# KiCad board SparkFun_GNSS_Flex_Breakout_panelized.kicad_pcb (continued)
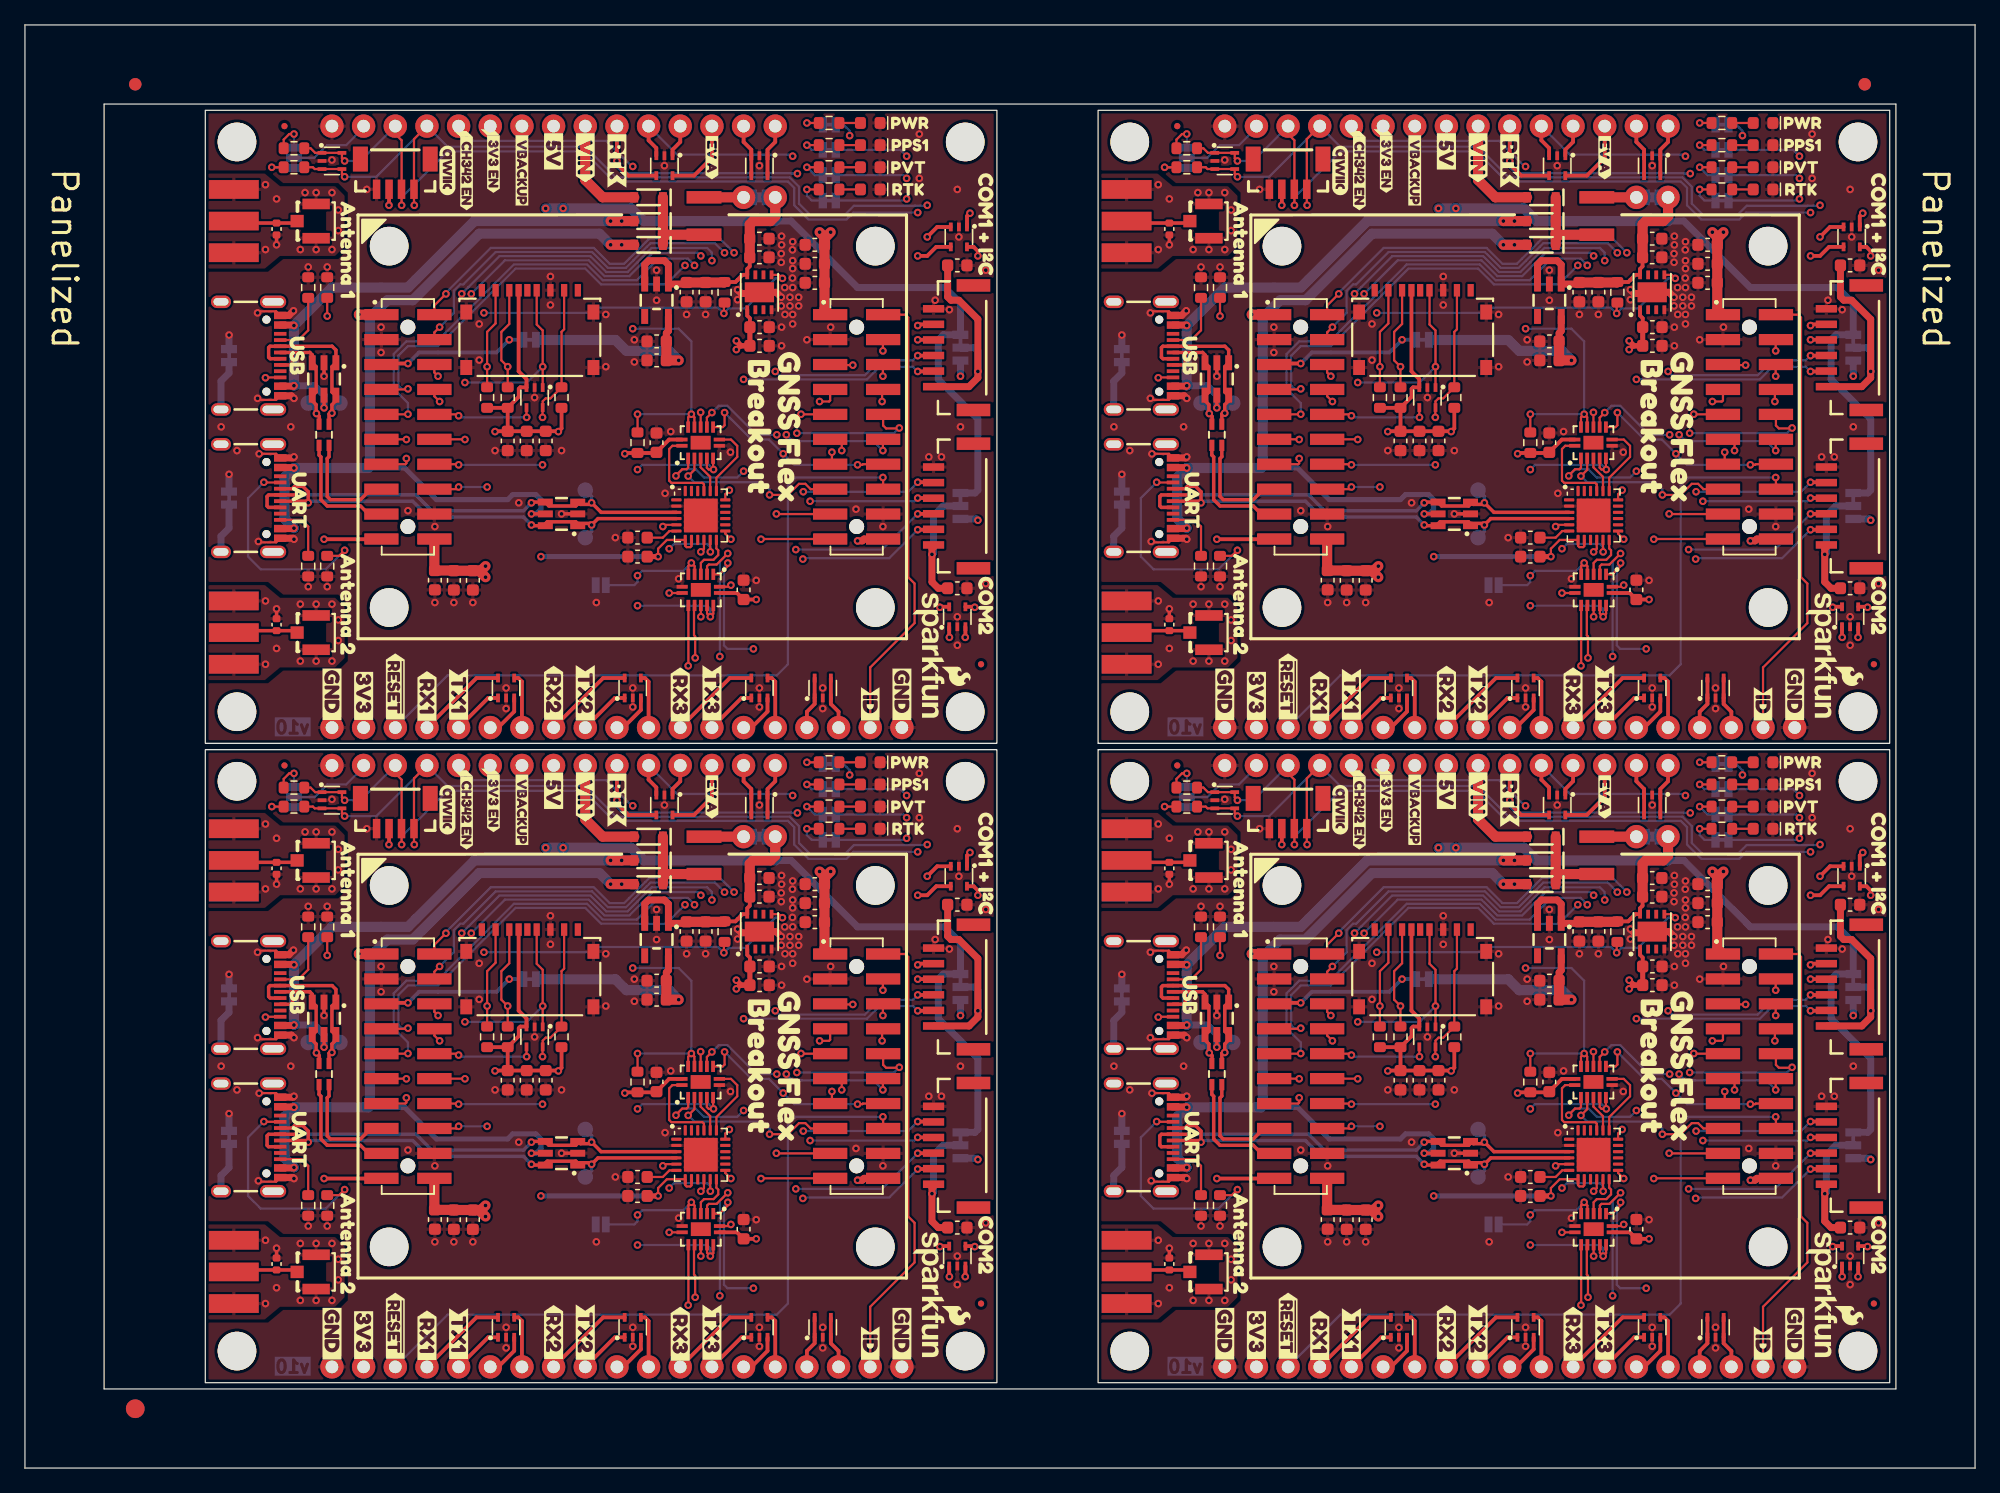
[diagram p0: board, top side]
## Placement (name value [footprint] x y rotation side) (continued)
TP9#4  1.25mm  [TestPoint-1.25mm]  44.95 27.17 180 bottom
TP10  1.25mm  [TestPoint-1.25mm]  94.34 85.46 180 bottom
TP10#2  1.25mm  [TestPoint-1.25mm]  94.34 34.16 180 bottom
TP10#3  1.25mm  [TestPoint-1.25mm]  22.73 85.46 180 bottom
TP10#4  1.25mm  [TestPoint-1.25mm]  22.73 34.16 180 bottom
TP12  1.25mm  [TestPoint-1.25mm]  116.57 23.36 180 bottom
TP12#2  1.25mm  [TestPoint-1.25mm]  44.95 74.66 180 bottom
TP12#3  1.25mm  [TestPoint-1.25mm]  116.57 74.66 180 bottom
TP12#4  1.25mm  [TestPoint-1.25mm]  44.95 23.36 180 bottom
TP14  1.25mm  [TestPoint-1.25mm]  25.27 85.46 180 bottom
TP14#2  1.25mm  [TestPoint-1.25mm]  25.27 34.16 180 bottom
TP14#3  1.25mm  [TestPoint-1.25mm]  96.89 85.46 180 bottom
TP14#4  1.25mm  [TestPoint-1.25mm]  96.89 34.16 180 bottom
TR2  -  [RFCMF1220100M4T]  95.62 82.91 270 top
TR2#2  -  [RFCMF1220100M4T]  24 82.91 270 top
TR2#3  -  [RFCMF1220100M4T]  24 31.62 270 top
TR2#4  -  [RFCMF1220100M4T]  95.62 31.62 270 top
U1  RT9080-3.3  [SOT23-5]  50.67 42.41 270 top
U1#2  RT9080-3.3  [SOT23-5]  122.29 93.71 270 top
U1#3  RT9080-3.3  [SOT23-5]  122.29 42.41 270 top
U1#4  RT9080-3.3  [SOT23-5]  50.67 93.71 270 top
U2  CH342F  [QFN-24-1EP_4x4mm_P0.5mm_EP2.7x2.7mm]  54.22 25.14 0 top
U2#2  CH342F  [QFN-24-1EP_4x4mm_P0.5mm_EP2.7x2.7mm]  125.84 25.14 0 top
U2#3  CH342F  [QFN-24-1EP_4x4mm_P0.5mm_EP2.7x2.7mm]  125.84 76.44 0 top
U2#4  CH342F  [QFN-24-1EP_4x4mm_P0.5mm_EP2.7x2.7mm]  54.22 76.44 0 top
U3  74HC4066BQ  [QFN-14_2.5x3mm_P0.5mm_EP1x1.5mm]  125.83 82.28 90 top
U3#2  74HC4066BQ  [QFN-14_2.5x3mm_P0.5mm_EP1x1.5mm]  125.83 30.98 90 top
U3#3  74HC4066BQ  [QFN-14_2.5x3mm_P0.5mm_EP1x1.5mm]  54.21 30.98 90 top
U3#4  74HC4066BQ  [QFN-14_2.5x3mm_P0.5mm_EP1x1.5mm]  54.21 82.28 90 top
U4  AP7361C-3.3V  [DFN-8_3x3mm_P0.65mm_EP2.25x1.5mm]  130.54 94.34 90 top
U4#2  AP7361C-3.3V  [DFN-8_3x3mm_P0.65mm_EP2.25x1.5mm]  130.54 43.05 90 top
U4#3  AP7361C-3.3V  [DFN-8_3x3mm_P0.65mm_EP2.25x1.5mm]  58.92 94.34 90 top
U4#4  AP7361C-3.3V  [DFN-8_3x3mm_P0.65mm_EP2.25x1.5mm]  58.92 43.05 90 top
U5  74HC4066BQ  [QFN-14_2.5x3mm_P0.5mm_EP1x1.5mm]  125.84 70.47 270 top
U5#2  74HC4066BQ  [QFN-14_2.5x3mm_P0.5mm_EP1x1.5mm]  54.22 19.17 270 top
U5#3  74HC4066BQ  [QFN-14_2.5x3mm_P0.5mm_EP1x1.5mm]  125.84 19.17 270 top
U5#4  74HC4066BQ  [QFN-14_2.5x3mm_P0.5mm_EP1x1.5mm]  54.22 70.47 270 top
VBACKUP.1  ~  [Jumper_2_NC_Trace]  40.49 39.23 180 bottom
VBACKUP.1#2  ~  [Jumper_2_NC_Trace]  112.11 90.53 180 bottom
VBACKUP.1#3  ~  [Jumper_2_NC_Trace]  40.49 90.53 180 bottom
VBACKUP.1#4  ~  [Jumper_2_NC_Trace]  112.11 39.23 180 bottom
VOUT1  ~  [Jumper_3_NC-1_Trace]  75.05 89.9 270 bottom
VOUT1#2  ~  [Jumper_3_NC-1_Trace]  146.67 38.6 270 bottom
VOUT1#3  ~  [Jumper_3_NC-1_Trace]  146.67 89.9 270 bottom
VOUT1#4  ~  [Jumper_3_NC-1_Trace]  75.05 38.6 270 bottom
VOUT2  ~  [Jumper_3_NC-1_Trace]  75.05 77.2 270 bottom
VOUT2#2  ~  [Jumper_3_NC-1_Trace]  75.05 25.9 270 bottom
VOUT2#3  ~  [Jumper_3_NC-1_Trace]  146.67 77.2 270 bottom
VOUT2#4  ~  [Jumper_3_NC-1_Trace]  146.67 25.9 270 bottom

## Library data of the parts
C1 C2#3 C7#2 C15#4 C18#3 C19 C22 C23#4 C24#2 = -: Datasheet: https://cdn.sparkfun.com/assets/8/a/4/a/5/Kemet_Capacitor_Datasheet.pdf; Description: Unpolarized capacitor; PROD_ID: CAP-20155; Voltage: 10V; Tolerance: 20%; ki_fp_filters: C_*
C1#2-C1#4 C2 C2#2 C2#4 C7 C7#3 C7#4 C15 C15#2 C15#3 C18 C18#2 C18#4 C19#2-C19#4 C22#2-C22#4 C23 C23#2 C23#3 C24 C24#3 C24#4 = -: Datasheet: https://cdn.sparkfun.com/assets/8/a/4/a/5/Kemet_Capacitor_Datasheet.pdf; Description: Unpolarized capacitor; PROD_ID: CAP-20155; Voltage: 10V; Tolerance: 20%
C4 C4#2 C4#3 C6 C6#2 C6#4 C8 C8#3 C8#4 C11 C11#2 C11#4 = -: Datasheet: https://cdn.sparkfun.com/assets/8/a/4/a/5/Kemet_Capacitor_Datasheet.pdf; Description: Unpolarized capacitor; PROD_ID: CAP-00810; Voltage: 25V; Tolerance: 20%
C4#4 C6#3 C8#2 C11#3 = -: Datasheet: https://cdn.sparkfun.com/assets/8/a/4/a/5/Kemet_Capacitor_Datasheet.pdf; Description: Unpolarized capacitor; PROD_ID: CAP-00810; Voltage: 25V; Tolerance: 20%; ki_fp_filters: C_*
C5 C5#2 C5#4 C9 C9#3 C9#4 C10 C10#3 C10#4 C12 C12#2 C12#3 C13#2-C13#4 C14 C14#2 C14#4 C16 C16#2 C16#3 C17 C17#3 C17#4 C20 C20#3 C20#4 C21 C21#3 C21#4 = -: Datasheet: https://cdn.sparkfun.com/assets/8/a/4/a/5/Kemet_Capacitor_Datasheet.pdf; Description: Unpolarized capacitor; PROD_ID: CAP-13930; Voltage: 16V; Tolerance: 10%
C5#3 C9#2 C10#2 C12#4 C13 C14#3 C16#4 C17#2 C20#2 C21#2 = -: Datasheet: https://cdn.sparkfun.com/assets/8/a/4/a/5/Kemet_Capacitor_Datasheet.pdf; Description: Unpolarized capacitor; PROD_ID: CAP-13930; Voltage: 16V; Tolerance: 10%; ki_fp_filters: C_*
CH342_EN.1 CH342_EN.1#3 CH342_EN.1#4 = -: Description: Solder Jumper, 2-pole, open
CH342_EN.1#2 = -: Description: Solder Jumper, 2-pole, open; ki_fp_filters: SolderJumper*Open*
D1 D7#2 D8#4 D10#3 D11#4 D12#2 D13 D14#2 D15#2 D16#4 = -: Datasheet: https://toshiba.semicon-storage.com/info/DF5A5.6LFU_datasheet_en_20140301.pdf?did=22260&prodName=DF5A5.6LFU; Description: Low capacitance microSD unidirectional quadruple ESD protection diode array, 3.3V, Common Anode, SOT-353; PROD_ID: DIO-20454; Rating: 3.3VWM/12VC; ki_fp_filters: SOT?353*
D1#2-D1#4 D7 D7#3 D7#4 D8 D8#2 D8#3 D10 D10#2 D10#4 D11 D11#2 D11#3 D12 D12#3 D12#4 D13#2-D13#4 D14 D14#3 D14#4 D15 D15#3 D15#4 D16 D16#2 D16#3 = -: Datasheet: https://toshiba.semicon-storage.com/info/DF5A5.6LFU_datasheet_en_20140301.pdf?did=22260&prodName=DF5A5.6LFU; Description: Low capacitance microSD unidirectional quadruple ESD protection diode array, 3.3V, Common Anode, SOT-353; PROD_ID: DIO-20454; Rating: 3.3VWM/12VC
D2 D2#3 D2#4 = -: Datasheet: https://docs.broadcom.com/docs/AV02-0551EN; Description: Light emitting diode; PROD_ID: DIO-17976
D2#2 = -: Datasheet: https://docs.broadcom.com/docs/AV02-0551EN; Description: Light emitting diode; PROD_ID: DIO-17976; ki_fp_filters: LED* LED_SMD:* LED_THT:*
D3 D3#2 D3#3 = -: Datasheet: https://media.digikey.com/pdf/Data%20Sheets/Rohm%20PDFs/SMLE12_Series_Rev2.0_2007.pdf; Description: Light emitting diode; PROD_ID: DIO-08575
D3#4 = -: Datasheet: https://media.digikey.com/pdf/Data%20Sheets/Rohm%20PDFs/SMLE12_Series_Rev2.0_2007.pdf; Description: Light emitting diode; PROD_ID: DIO-08575; ki_fp_filters: LED* LED_SMD:* LED_THT:*
D5 D5#2 D5#3 = -: Datasheet: https://www.qt-brightek.com/datasheet/QBLP601_series.pdf; Description: Light emitting diode; PROD_ID: DIO-09004
D5#4 = -: Datasheet: https://www.qt-brightek.com/datasheet/QBLP601_series.pdf; Description: Light emitting diode; PROD_ID: DIO-09004; ki_fp_filters: LED* LED_SMD:* LED_THT:*
D6 D6#3 D6#4 = -: Datasheet: https://www.kingbrightusa.com/images/catalog/SPEC/APT1608SYCK.pdf; Description: Light emitting diode; PROD_ID: DIO-09003
D6#2 = -: Datasheet: https://www.kingbrightusa.com/images/catalog/SPEC/APT1608SYCK.pdf; Description: Light emitting diode; PROD_ID: DIO-09003; ki_fp_filters: LED* LED_SMD:* LED_THT:*
D9 D9#3 D9#4 D20 D20#2 D20#4 = -: Datasheet: https://www.littelfuse.com/~/media/electronics/product_specifications/polymer_esd_suppressors/littelfuse_polymer_esd_suppressor_pesd0402_140_product_specification.pdf.pdf; Description: Bidirectional transient-voltage-suppression diode; PROD_ID: DIO-15359; Rating: 14VWM/40VC
D9#2 D20#3 = -: Datasheet: https://www.littelfuse.com/~/media/electronics/product_specifications/polymer_esd_suppressors/littelfuse_polymer_esd_suppressor_pesd0402_140_product_specification.pdf.pdf; Description: Bidirectional transient-voltage-suppression diode; PROD_ID: DIO-15359; Rating: 14VWM/40VC; ki_fp_filters: TO-???* *_Diode_* *SingleDiode* D_*
D17 D21#4 = -: Datasheet: https://www.diodes.com/assets/Datasheets/DT1042-04SO.pdf; Description: Very low capacitance ESD protection diode, 4 data-line, SOT-23-6; PROD_ID: IC-13538; Rating: 5VWM/9VC; ki_fp_filters: SOT?23*
D17#2-D17#4 D21 D21#2 D21#3 = -: Datasheet: https://www.diodes.com/assets/Datasheets/DT1042-04SO.pdf; Description: Very low capacitance ESD protection diode, 4 data-line, SOT-23-6; PROD_ID: IC-13538; Rating: 5VWM/9VC
D18 D18#2 D18#4 D19 D19#3 D19#4 D22 D22#2 D22#4 = -: Datasheet: https://www.infineon.com/dgdl/bat60aseries.pdf?folderId=db3a304313d846880113def5812204a1&fileId=db3a304313d846880113def70c9304a9; Description: Schottky diode; PROD_ID: DIO-14072; IMax: 3A; VDrop: 0.28V; VMax: 10V
D18#3 D19#2 D22#3 = -: Datasheet: https://www.infineon.com/dgdl/bat60aseries.pdf?folderId=db3a304313d846880113def5812204a1&fileId=db3a304313d846880113def70c9304a9; Description: Schottky diode; PROD_ID: DIO-14072; IMax: 3A; VDrop: 0.28V; VMax: 10V; ki_fp_filters: TO-???* *_Diode_* *SingleDiode* D_*
F1 F1#2 F1#3 = -: Datasheet: https://www.belfuse.com/resources/datasheets/circuitprotection/ds-cp-0zch-series.pdf; Description: Resettable fuse 2A; PROD_ID: RES-14313
F1#4 = -: Datasheet: https://www.belfuse.com/resources/datasheets/circuitprotection/ds-cp-0zch-series.pdf; Description: Resettable fuse 2A; PROD_ID: RES-14313; ki_fp_filters: *polyfuse* *PTC*
FID1 FID1#3 FID1#4 FID2 FID2#3 FID2#4 FID3#2-FID3#4 FID4#2-FID4#4 = -: Description: Fiducial Marker
FID1#2 FID2#2 FID3 FID4 = -: Description: Fiducial Marker; ki_fp_filters: Fiducial*
J1 J1#2 J1#3 = -: Datasheet: https://tools.molex.com/pdm_docs/sd/1050270001_sd.pdf; Description: Micro SD socket External Pin; PROD_ID: CONN-20948
J1#4 = -: Datasheet: https://tools.molex.com/pdm_docs/sd/1050270001_sd.pdf; Description: Micro SD socket External Pin; PROD_ID: CONN-20948; ki_fp_filters: microSD*
J2 J2#2 J2#4 J6 J6#3 J6#4 = -: Datasheet: https://www.sparkfun.com/datasheets/Wireless/Antenna/SMA-Connector.pdf; Description: SMA PCB Edge Mount connector; PROD_ID: CONN-08289
J2#3 J6#2 = -: Datasheet: https://www.sparkfun.com/datasheets/Wireless/Antenna/SMA-Connector.pdf; Description: SMA PCB Edge Mount connector; PROD_ID: CONN-08289; ki_fp_filters: *BNC* *SMA* *SMB* *SMC* *Cinch* *LEMO*
J3 J4 = -: Description: Basic 0.1" PTH; ki_fp_filters: Connector*:*_1x??_*
J3#2-J3#4 J4#2-J4#4 = -: Description: Basic 0.1" PTH
J5 J5#3 J5#4 J13 J13#2 J13#4 = -: Datasheet: https://www.jst-mfg.com/product/pdf/eng/eGH.pdf; Description: JST locking connector; PROD_ID: CONN-16497
J5#2 J13#3 = -: Datasheet: https://www.jst-mfg.com/product/pdf/eng/eGH.pdf; Description: JST locking connector; PROD_ID: CONN-16497; ki_fp_filters: Connector*:*_1x??_*
J7 J7#3 J7#4 J10 J10#3 J10#4 = -: Datasheet: https://www.usb.org/sites/default/files/documents/usb_type-c.zip; Description: USB 2.0-only Type-C Receptacle connector; PROD_ID: CONN-14122
J7#2 J10#2 = -: Datasheet: https://www.usb.org/sites/default/files/documents/usb_type-c.zip; Description: USB 2.0-only Type-C Receptacle connector; PROD_ID: CONN-14122; ki_fp_filters: USB*C*Receptacle*
J8 J8#2 J8#4 J9 J9#2 J9#3 = -: Datasheet: https://mm.digikey.com/Volume0/opasdata/d220001/medias/docus/2607/UFL%20Series.pdf; Description: SMA PCB Edge Mount connector SMD; PROD_ID: CONN-09193
J8#3 J9#4 = -: Datasheet: https://mm.digikey.com/Volume0/opasdata/d220001/medias/docus/2607/UFL%20Series.pdf; Description: SMA PCB Edge Mount connector SMD; PROD_ID: CONN-09193; ki_fp_filters: *BNC* *SMA* *SMB* *SMC* *Cinch* *LEMO*
J11 J12 = -: Datasheet: http://www.4uconnector.com/online/object/4udrawing/22817.pdf; Description: 2x10 2.0mm Header with pegs; PROD_ID: CONN-25207; ki_fp_filters: Connector*:*_1x??_*
J11#2-J11#4 J12#2-J12#4 = -: Datasheet: http://www.4uconnector.com/online/object/4udrawing/22817.pdf; Description: 2x10 2.0mm Header with pegs; PROD_ID: CONN-25207
J14 J14#2 J14#3 = -: Datasheet: https://www.jst-mfg.com/product/pdf/eng/eSH.pdf; Description: 4 pin JST 1mm polarized connector for I2C; PROD_ID: CONN-14483
J14#4 = -: Datasheet: https://www.jst-mfg.com/product/pdf/eng/eSH.pdf; Description: 4 pin JST 1mm polarized connector for I2C; PROD_ID: CONN-14483; ki_fp_filters: Connector*:*_1x??_*
J15 J15#3 J15#4 = -: Description: SparkFun GNSS Flex Legend
J15#2 = -: Description: SparkFun GNSS Flex Legend; ki_fp_filters: Connector*:*_1x??_*
JP1 JP1#2 JP1#3 PPS1#2-PPS1#4 PVT1 PVT1#2 PVT1#4 PWR1 PWR1#3 PWR1#4 RTK1 RTK1#3 RTK1#4 SHLD1 SHLD1#3 SHLD1#4 SHLD2 SHLD2#3 SHLD2#4 VBACKUP.1#2-VBACKUP.1#4 = -: Description: Solder Jumper, 2-pole, closed/bridged
JP1#4 PPS1 PVT1#3 PWR1#2 RTK1#2 SHLD1#2 SHLD2#2 VBACKUP.1 = -: Description: Solder Jumper, 2-pole, closed/bridged; ki_fp_filters: SolderJumper*Bridged*
JP2 JP2#3 JP2#4 = -: Description: Solder Jumper, 3-pole, open
JP2#2 = -: Description: Solder Jumper, 3-pole, open; ki_fp_filters: SolderJumper*Open*
R1 R1#2 R1#4 R2 R2#2 R2#4 R4#2-R4#4 = -: Datasheet: https://www.vishay.com/docs/20035/dcrcwe3.pdf; Description: Resistor; PROD_ID: RES-00824
R1#3 R2#3 R4 = -: Datasheet: https://www.vishay.com/docs/20035/dcrcwe3.pdf; Description: Resistor; PROD_ID: RES-00824; ki_fp_filters: R_*
R3 R3#2 R3#3 R5 R5#2 R5#3 = -: Datasheet: https://www.vishay.com/docs/20035/dcrcwe3.pdf; Description: Resistor; PROD_ID: RES-07828
R3#4 R5#4 = -: Datasheet: https://www.vishay.com/docs/20035/dcrcwe3.pdf; Description: Resistor; PROD_ID: RES-07828; ki_fp_filters: R_*
R6 R6#2 R6#3 = -: Datasheet: https://www.vishay.com/docs/20035/dcrcwe3.pdf; Description: Resistor; PROD_ID: RES-07857
R6#4 = -: Datasheet: https://www.vishay.com/docs/20035/dcrcwe3.pdf; Description: Resistor; PROD_ID: RES-07857; ki_fp_filters: R_*
R7 R7#2 R7#4 R8 R8#2 R8#4 R9#2-R9#4 R12#2-R12#4 = -: Datasheet: https://www.vishay.com/docs/20035/dcrcwe3.pdf; Description: Resistor; PROD_ID: RES-08272
R7#3 R8#3 R9 R12 = -: Datasheet: https://www.vishay.com/docs/20035/dcrcwe3.pdf; Description: Resistor; PROD_ID: RES-08272; ki_fp_filters: R_*
R11 R11#2 R11#3 = -: Datasheet: https://www.vishay.com/docs/20035/dcrcwe3.pdf; Description: Resistor; PROD_ID: RES-07856
R11#4 = -: Datasheet: https://www.vishay.com/docs/20035/dcrcwe3.pdf; Description: Resistor; PROD_ID: RES-07856; ki_fp_filters: R_*
R17 R17#3 R17#4 R18 R18#2 R18#4 R19 R19#2 R19#3 R20 R20#3 R20#4 = -: Datasheet: https://www.vishay.com/docs/20035/dcrcwe3.pdf; Description: Resistor; PROD_ID: RES-12083
R17#2 R18#3 R19#4 R20#2 = -: Datasheet: https://www.vishay.com/docs/20035/dcrcwe3.pdf; Description: Resistor; PROD_ID: RES-12083; ki_fp_filters: R_*
ST1 ST1#2 ST1#3 ST2 ST2#2 ST2#3 ST3 ST3#2 ST3#3 ST4#2-ST4#4 ST5 ST5#2 ST5#4 ST6 ST6#3 ST6#4 ST7 ST7#2 ST7#3 ST8 ST8#2 ST8#3 = -: Description: Drill holes for mechanically mounting via screws, standoffs, etc.
ST1#4 ST2#4 ST3#4 ST4 ST5#3 ST6#2 ST7#4 ST8#4 = -: Description: Drill holes for mechanically mounting via screws, standoffs, etc.; ki_fp_filters: Fiducial*
TP9 TP9#2 TP9#3 TP10 TP10#2 TP10#3 TP12 TP12#2 TP12#3 TP14 TP14#3 TP14#4 = -: Description: Test Point
TP9#4 TP10#4 TP12#4 TP14#2 = -: Description: Test Point; ki_fp_filters: Pin* Test*
TR2 TR2#2-TR2#4 = -: Datasheet: http://www.passivecomponent.com/wp-content/uploads/2018/10/RF-Filter.pdf; Description: USB Transformer; PROD_ID: COMP-19495
U1 = -: Datasheet: https://www.richtek.com/SaveDownload.aspx?specid=RT9080; Description: 600mA low dropout linear regulator, with enable pin, 3.8V-6V input voltage range, 3.3V fixed positive output, SOT-23-5; PROD_ID: VREG-19034; VMax: 5.5V; IMax: 600mA; Iq: 4µA; ki_fp_filters: SOT?23?5*
U1#2-U1#4 = -: Datasheet: https://www.richtek.com/SaveDownload.aspx?specid=RT9080; Description: 600mA low dropout linear regulator, with enable pin, 3.8V-6V input voltage range, 3.3V fixed positive output, SOT-23-5; PROD_ID: VREG-19034; VMax: 5.5V; IMax: 600mA; Iq: 4µA
U2 = -: Datasheet: https://cdn.sparkfun.com/assets/4/5/0/b/7/CH342_Datasheet.pdf; Description: USB dual serial converter, UART, QFN-24; PROD_ID: IC-23059; ki_fp_filters: SOIC*3.9x9.9mm*P1.27mm*
U2#2-U2#4 = -: Datasheet: https://cdn.sparkfun.com/assets/4/5/0/b/7/CH342_Datasheet.pdf; Description: USB dual serial converter, UART, QFN-24; PROD_ID: IC-23059
U3 U3#2 U3#4 U5 U5#3 U5#4 = -: Datasheet: https://assets.nexperia.com/documents/data-sheet/74HC_HCT4066.pdf; Description: Quad single-pole single-throw analog switch QFN; PROD_ID: IC-16528; VCC: VCC: 2.0V Min, 5.0V Typ, 10.0V Max
U3#3 U5#2 = -: Datasheet: https://assets.nexperia.com/documents/data-sheet/74HC_HCT4066.pdf; Description: Quad single-pole single-throw analog switch QFN; PROD_ID: IC-16528; VCC: VCC: 2.0V Min, 5.0V Typ, 10.0V Max; ki_fp_filters: TSSOP*4.4x5mm*P0.65mm* DIP*W7.62* SOIC*3.9x9.9mm*P1.27mm* SO*5.3x10.2mm*P1.27mm*
U4 U4#2 U4#3 = -: Datasheet: https://www.diodes.com/assets/Datasheets/AP7361C.pdf; Description: 1A low dropout linear regulator, with enable pin, 2.2-6.0V input, 3.3V output, UDFN-8; PROD_ID: VREG-14094; VMax: 6V; Ityp: 1.0A; IMax: 1.5A; Iq: 60µA
U4#4 = -: Datasheet: https://www.diodes.com/assets/Datasheets/AP7361C.pdf; Description: 1A low dropout linear regulator, with enable pin, 2.2-6.0V input, 3.3V output, UDFN-8; PROD_ID: VREG-14094; VMax: 6V; Ityp: 1.0A; IMax: 1.5A; Iq: 60µA; ki_fp_filters: SOT?23?5*
VOUT1 VOUT1#2 VOUT1#3 VOUT2 VOUT2#3 VOUT2#4 = -: Description: 3-pole Solder Jumper, pins 1+2 closed/bridged
VOUT1#4 VOUT2#2 = -: Description: 3-pole Solder Jumper, pins 1+2 closed/bridged; ki_fp_filters: SolderJumper*Bridged12*

## Footprints (pads in the part's own frame, mm; a bottom-side part is the same pattern mirrored in y, then rotated)
1x15
  round 1.88 hole 1.016: 1(0,0) 2(2.54,0) 3(5.08,0) 4(7.62,0) 5(10.16,0) 6(12.7,0) 7(15.24,0) 8(17.78,0) 9(20.32,0) 10(22.86,0) 11(25.4,0) 12(27.94,0) 13(30.48,0) 14(33.02,0) 15(35.56,0)
1x19
  round 1.88 hole 1.016: 1(0,0) 2(2.54,0) 3(5.08,0) 4(7.62,0) 5(10.16,0) 6(12.7,0) 7(15.24,0) 8(17.78,0) 9(20.32,0) 10(22.86,0) 11(25.4,0) 12(27.94,0) 13(30.48,0) 14(33.02,0) 15(35.56,0) 16(38.1,0) 17(40.64,0) 18(43.18,0) 19(45.72,0)
2x10_2.0mm_Male_Pins_Vertical_SMD_Pegs
  round 1.2 hole 1.2 unplated: (0,8) (0,-8)
  rect 2.75x0.9 smd: 1(-2.125,9) 2(2.125,9) 3(-2.125,7) 4(2.125,7) 5(-2.125,5) 6(2.125,5) 7(-2.125,3) 8(2.125,3) 9(-2.125,1) 10(2.125,1) 11(-2.125,-1) 12(2.125,-1) 13(-2.125,-3) 14(2.125,-3) 15(-2.125,-5) 16(2.125,-5) 17(-2.125,-7) 18(2.125,-7) 19(-2.125,-9) 20(2.125,-9)
1210
  rect 1x2.8 smd: 1(-1.5,0) 2(1.5,0)
C_0402_1005Metric
  rrect 0.56x0.62 smd: 1(-0.48,0) 2(0.48,0)
C_0603_1608Metric
  rrect 0.9x0.95 smd: 1(-0.775,0) 2(0.775,0)
DFN-8_3x3mm_P0.65mm_EP2.25x1.5mm
  rect 0.7x0.3 smd: 1(-1.4,0.975) 2(-1.4,0.325) 3(-1.4,-0.325) 4(-1.4,-0.975) 5(1.4,-0.975) 6(1.4,-0.325) 7(1.4,0.325) 8(1.4,0.975)
  rect 1.6x2.35 smd: 9(0,0)
Fiducial_0.5mm_Mask1mm
  round 0.5 smd: (0,0)
Fiducial_1.5mm_Mask3mm
  round 1.5 smd: (0,0)
Fiducial_1mm_Mask3mm
  round 1 smd: (0,0)
JST_SMD_1.0mm-4_Vertical_Black
  rect 0.6x1.55 smd: 1(-1.5,-1.511) 2(-0.5,-1.511) 3(0.5,-1.511) 4(1.5,-1.511)
  rect 1.2x2 smd: NC1(-2.8,0.914) NC2(2.8,0.914)
JST_SMD_1.25mm-6_Locking
  rect 0.6x1.7 smd: 1(-3.125,1.75) 2(-1.875,1.75) 3(-0.625,1.75) 4(0.625,1.75) 5(1.875,1.75) 6(3.125,1.75)
  rect 1x2.7 smd: NC1(-5,-1.45) NC2(5,-1.45)
Jumper_2_NC_Trace
  rect 0.66x1.27 smd: 1(-0.521,0) 2(0.521,0)
Jumper_2_NO
  rect 0.635x1.27 smd: 1(-0.406,0) 2(0.406,0)
Jumper_2_PTH_SMD_Combo-NC
  round 1.88 hole 1.016: 1(-1.27,0) 2(1.27,0)
  rect 0.635x1.27 smd: 1(-0.508,0) 2(0.508,0)
Jumper_3_NC-1_Trace
  rect 0.66x1.27 smd: 1(-1.041,0) 2(0,0) 3(1.041,0)
Jumper_3_NO
  rect 0.635x1.27 smd: 1(-0.813,0) 2(0,0) 3(0.813,0)
LED_0603_1608Metric_Blue
  rrect 0.875x0.95 smd: 1(-0.787,0) 2(0.787,0)
LED_0603_1608Metric_Red
  rrect 0.875x0.95 smd: 1(-0.787,0) 2(0.787,0)
LED_0603_1608Metric_White
  rrect 0.875x0.95 smd: 1(-0.787,0) 2(0.787,0)
LED_0603_1608Metric_Yellow
  rrect 0.875x0.95 smd: 1(-0.787,0) 2(0.787,0)
microSD_Friction_Fit_Common
  rect 0.5x1 smd: 1(3.85,-3.975) 2(2.75,-3.975) 3(1.65,-3.975) 4(0.9,-3.975) 5(-0.55,-3.975) 6(-1.65,-3.975) 7(-2.75,-3.975) 8(-3.85,-3.975) 9(0.2,-3.975)
  rect 0.95x1.2 smd: 10(-5.1,2.225) 10(-5.1,-2.225) 10(5.1,2.225) 10(5.1,-2.225)
QFN-14_2.5x3mm_P0.5mm_EP1x1.5mm
  rect 0.3x0.9 smd: 1(-0.25,1.5) 7(-0.25,-1.5) 8(0.25,-1.5) 14(0.25,1.5)
  rect 0.9x0.3 smd: 2(-1.25,1) 3(-1.25,0.5) 4(-1.25,0) 5(-1.25,-0.5) 6(-1.25,-1) 9(1.25,-1) 10(1.25,-0.5) 11(1.25,0) 12(1.25,0.5) 13(1.25,1)
  rect 1.1x1.6 smd: EP(0,0)
QFN-24-1EP_4x4mm_P0.5mm_EP2.7x2.7mm
  rrect 1.09x1.09 smd: (-0.675,0.675) (-0.675,-0.675) (0.675,0.675) (0.675,-0.675)
  rrect 0.825x0.25 smd: 1(-1.962,1.25) 2(-1.962,0.75) 3(-1.962,0.25) 4(-1.962,-0.25) 5(-1.962,-0.75) 6(-1.962,-1.25) 13(1.962,-1.25) 14(1.962,-0.75) 15(1.962,-0.25) 16(1.962,0.25) 17(1.962,0.75) 18(1.962,1.25)
  rrect 0.25x0.825 smd: 7(-1.25,-1.962) 8(-0.75,-1.962) 9(-0.25,-1.962) 10(0.25,-1.962) 11(0.75,-1.962) 12(1.25,-1.962) 19(1.25,1.962) 20(0.75,1.962) 21(0.25,1.962) 22(-0.25,1.962) 23(-0.75,1.962) 24(-1.25,1.962)
  rect 2.7x2.7 smd: 25(0,0)
R_0603_1608Metric
  rrect 0.8x0.95 smd: 1(-0.825,0) 2(0.825,0)
RFCMF1220100M4T
  rect 0.9x0.4 smd: 1(-0.85,0.4) 2(0.85,0.4) 3(-0.85,-0.4) 4(0.85,-0.4)
SMA_Edge
  rect 1.5x4 smd: 1(0,0) 2(-2.54,0) 2(2.54,0)
  rect 1.5x4 smd far side: 2(-2.54,0) 2(2.54,0)
SOD-323
  rect 0.63x0.83 smd: 1(-1.15,0) 2(1.15,0)
SOT23-5
  rect 1.2x0.55 smd: 1(-1.3,0.95) 2(-1.3,0) 3(-1.3,-0.95) 4(1.3,-0.95) 5(1.3,0.95)
SOT23-6
  rect 1.2x0.55 smd: 1(-1.3,0.95) 2(-1.3,0) 3(-1.3,-0.95) 4(1.3,-0.95) 5(1.3,0) 6(1.3,0.95)
SOT-353
  rect 0.7x0.3 smd: 1(-0.8,0.65) 2(-0.8,0) 3(-0.8,-0.65) 4(0.8,-0.65) 5(0.8,0.65)
Standoff
  round 3.1 hole 3.1 unplated: (0,0)
TestPoint-1.25mm
  rrect 1.25x1.25 smd: 1(0,0)
U.FL
  rect 1.05x1 smd: 1(1.525,0)
  rect 2.2x0.85 smd: 2(0,1.375) 2(0,-1.375)
USB-C_16
  round 0.65 hole 0.65 unplated: (-2.89,-1.445) (2.89,-1.445)
  rect 0.3x1 smd: A5(-1.25,-0.34) A6(-0.25,-0.34) A7(0.25,-0.34) A8(1.25,-0.34) B5(1.75,-0.34) B6(0.75,-0.34) B7(-0.75,-0.34) B8(-1.75,-0.34)
  rect 0.6x1 smd: GND(-3.225,-0.34) GND(3.225,-0.34) VBUS(-2.45,-0.34) VBUS(2.45,-0.34)
  oval 1x1.6 hole 0.6x1.2: NC1(-4.318,-5.095) S(4.318,-5.095)
  oval 1x2.1 hole 0.6x1.7: NC2(-4.318,-0.915) NC3(4.318,-0.915)

## Nets
3.3V: C1.1 C1#2.1 C1#3.1 C1#4.1 C2.1 C2#2.1 C2#3.1 C2#4.1 C4.1 C4#2.1 C4#3.1 C4#4.1 C5.1 C5#2.1 C5#3.1 C5#4.1 C6.1 C6#2.1 C6#3.1 C6#4.1 C7.1 C7#2.1 C7#3.1 C7#4.1 C8.1 C8#2.1 C8#3.1 C8#4.1 C9.1 C9#2.1 C9#3.1 C9#4.1 C10.1 C10#2.1 C10#3.1 C10#4.1 C13.1 C13#2.1 C13#3.1 C13#4.1 C14.1 C14#2.1 C14#3.1 C14#4.1 C17.1 C17#2.1 C17#3.1 C17#4.1 C18.1 C18#2.1 C18#3.1 C18#4.1 D1.3 D1#2.3 D1#3.3 D1#4.3 J1.4 J1#2.4 J1#3.4 J1#4.4 J3.2 J3#2.2 J3#3.2 J3#4.2 J4.2 J4#2.2 J4#3.2 J4#4.2 J11.1 J11.20 J11#2.1 J11#2.20 J11#3.1 J11#3.20 J11#4.1 J11#4.20 J12.1 J12.20 J12#2.1 J12#2.20 J12#3.1 J12#3.20 J12#4.1 J12#4.20 J14.2 J14#2.2 J14#3.2 J14#4.2 JP2.2 JP2#2.2 JP2#3.2 JP2#4.2 PWR1.2 PWR1#2.2 PWR1#3.2 PWR1#4.2 R1.2 R1#2.2 R1#3.2 R1#4.2 R2.2 R2#2.2 R2#3.2 R2#4.2 R4.2 R4#2.2 R4#3.2 R4#4.2 R5.2 R5#2.2 R5#3.2 R5#4.2 U2.5 U2#2.5 U2#3.5 U2#4.5 U3.14 U3#2.14 U3#3.14 U3#4.14 U4.1 U4#2.1 U4#3.1 U4#4.1 U5.14 U5#2.14 U5#3.14 U5#4.14 VOUT1.3 VOUT1#2.3 VOUT1#3.3 VOUT1#4.3 VOUT2.3 VOUT2#2.3 VOUT2#3.3 VOUT2#4.3
3V3_EN: J3.6 J3#2.6 J3#3.6 J3#4.6 R3.1 R3#2.1 R3#3.1 R3#4.1 U4.5 U4#2.5 U4#3.5 U4#4.5
5V: C15.1 C15#2.1 C15#3.1 C15#4.1 C16.1 C16#2.1 C16#3.1 C16#4.1 C19.1 C19#2.1 C19#3.1 C19#4.1 C20.1 C20#2.1 C20#3.1 C20#4.1 J3.8 J3#2.8 J3#3.8 J3#4.8 JP1.2 JP1#2.2 JP1#3.2 JP1#4.2 R3.2 R3#2.2 R3#3.2 R3#4.2 U1.1 U1.3 U1#2.1 U1#2.3 U1#3.1 U1#3.3 U1#4.1 U1#4.3 U4.8 U4#2.8 U4#3.8 U4#4.8 VOUT1.1 VOUT1#2.1 VOUT1#3.1 VOUT1#4.1 VOUT2.1 VOUT2#2.1 VOUT2#3.1 VOUT2#4.1
GND: C1.2 C1#2.2 C1#3.2 C1#4.2 C2.2 C2#2.2 C2#3.2 C2#4.2 C4.2 C4#2.2 C4#3.2 C4#4.2 C5.2 C5#2.2 C5#3.2 C5#4.2 C6.2 C6#2.2 C6#3.2 C6#4.2 C7.2 C7#2.2 C7#3.2 C7#4.2 C8.2 C8#2.2 C8#3.2 C8#4.2 C9.2 C9#2.2 C9#3.2 C9#4.2 C10.2 C10#2.2 C10#3.2 C10#4.2 C11.2 C11#2.2 C11#3.2 C11#4.2 C12.2 C12#2.2 C12#3.2 C12#4.2 C13.2 C13#2.2 C13#3.2 C13#4.2 C14.2 C14#2.2 C14#3.2 C14#4.2 C15.2 C15#2.2 C15#3.2 C15#4.2 C16.2 C16#2.2 C16#3.2 C16#4.2 C17.2 C17#2.2 C17#3.2 C17#4.2 C18.2 C18#2.2 C18#3.2 C18#4.2 C19.2 C19#2.2 C19#3.2 C19#4.2 C20.2 C20#2.2 C20#3.2 C20#4.2 C21.2 C21#2.2 C21#3.2 C21#4.2 C22.2 C22#2.2 C22#3.2 C22#4.2 C23.1 C23#2.1 C23#3.1 C23#4.1 C24.1 C24#2.1 C24#3.1 C24#4.1 CH342_EN.1.1 CH342_EN.1#2.1 CH342_EN.1#3.1 CH342_EN.1#4.1 D1.2 D1#2.2 D1#3.2 D1#4.2 D2.1 D2#2.1 D2#3.1 D2#4.1 D3.1 D3#2.1 D3#3.1 D3#4.1 D5.1 D5#2.1 D5#3.1 D5#4.1 D6.1 D6#2.1 D6#3.1 D6#4.1 D7.2 D7#2.2 D7#3.2 D7#4.2 D8.2 D8#2.2 D8#3.2 D8#4.2 D9.1 D9#2.1 D9#3.1 D9#4.1 D10.2 D10#2.2 D10#3.2 D10#4.2 D11.2 D11#2.2 D11#3.2 D11#4.2 D12.2 D12#2.2 D12#3.2 D12#4.2 D13.2 D13#2.2 D13#3.2 D13#4.2 D14.2 D14#2.2 D14#3.2 D14#4.2 D15.2 D15#2.2 D15#3.2 D15#4.2 D16.2 D16#2.2 D16#3.2 D16#4.2 D17.2 D17#2.2 D17#3.2 D17#4.2 D20.1 D20#2.1 D20#3.1 D20#4.1 D21.2 D21#2.2 D21#3.2 D21#4.2 J1.6 J1.10 J1#2.6 J1#2.10 J1#3.6 J1#3.10 J1#4.6 J1#4.10 J2.2 J2#2.2 J2#3.2 J2#4.2 J3.1 J3#2.1 J3#3.1 J3#4.1 J4.1 J4.19 J4#2.1 J4#2.19 J4#3.1 J4#3.19 J4#4.1 J4#4.19 J5.6 J5#2.6 J5#3.6 J5#4.6 J6.2 J6#2.2 J6#3.2 J6#4.2 J7.GND J7#2.GND J7#3.GND J7#4.GND J8.2 J8#2.2 J8#3.2 J8#4.2 J9.2 J9#2.2 J9#3.2 J9#4.2 J10.GND J10#2.GND J10#3.GND J10#4.GND J11.3 J11.18 J11#2.3 J11#2.18 J11#3.3 J11#3.18 J11#4.3 J11#4.18 J12.3 J12.18 J12#2.3 J12#2.18 J12#3.3 J12#3.18 J12#4.3 J12#4.18 J13.6 J13#2.6 J13#3.6 J13#4.6 J14.1 J14#2.1 J14#3.1 J14#4.1 R17.1 R17#2.1 R17#3.1 R17#4.1 R18.1 R18#2.1 R18#3.1 R18#4.1 R19.1 R19#2.1 R19#3.1 R19#4.1 R20.1 R20#2.1 R20#3.1 R20#4.1 SHLD1.1 SHLD1#2.1 SHLD1#3.1 SHLD1#4.1 SHLD2.1 SHLD2#2.1 SHLD2#3.1 SHLD2#4.1 U1.2 U1#2.2 U1#3.2 U1#4.2 U2.2 U2.25 U2#2.2 U2#2.25 U2#3.2 U2#3.25 U2#4.2 U2#4.25 U3.7 U3#2.7 U3#3.7 U3#4.7 U4.4 U4.9 U4#2.4 U4#2.9 U4#3.4 U4#3.9 U4#4.4 U4#4.9 U5.7 U5#2.7 U5#3.7 U5#4.7
VIN: D19.2 D19#2.2 D19#3.2 D19#4.2 J3.9 J3#2.9 J3#3.9 J3#4.9
CH342_EN: CH342_EN.1.2 CH342_EN.1#2.2 CH342_EN.1#3.2 CH342_EN.1#4.2 J3.5 J3#2.5 J3#3.5 J3#4.5 R5.1 R5#2.1 R5#3.1 R5#4.1 U3.5 U3.6 U3.12 U3.13 U3#2.5 U3#2.6 U3#2.12 U3#2.13 U3#3.5 U3#3.6 U3#3.12 U3#3.13 U3#4.5 U3#4.6 U3#4.12 U3#4.13 U5.5 U5.6 U5.12 U5.13 U5#2.5 U5#2.6 U5#2.12 U5#2.13 U5#3.5 U5#3.6 U5#3.12 U5#3.13 U5#4.5 U5#4.6 U5#4.12 U5#4.13
CTS1: D13.4 D13#2.4 D13#3.4 D13#4.4 J4.7 J4#2.7 J4#3.7 J4#4.7 J12.14 J12#2.14 J12#3.14 J12#4.14 U3.9 U3#2.9 U3#3.9 U3#4.9
CTS2: D12.4 D12#2.4 D12#3.4 D12#4.4 D14.3 D14#2.3 D14#3.3 D14#4.3 J4.11 J4#2.11 J4#3.11 J4#4.11 J5.4 J5#2.4 J5#3.4 J5#4.4 J12.7 J12#2.7 J12#3.7 J12#4.7 U5.9 U5#2.9 U5#3.9 U5#4.9